# KiCad board 8851_HW-U1-VCU118_REV2-0_071417.kicad_pcb (continued)
## Routing (per net, layer and track width the routed paths; a pad name or vN(x,y) marks a point on that pad's centre or on a via; arc(x,y) is an arc through that point) (continued)
  05_SIG2 w0.375: v3(215.66,157.22) 215.15,157.72 215.15,158.3 213.39,160.06 211.85,160.06 211.62,160.28 209.33,160.28 209.05,160.57 202.78,160.57 201.12,162.23 186.22,162.23 178.56,154.56 171.76,154.56 v3(164.22,147.03) 154.79,147.03 150.56,142.8 148.8,142.8 147.92,141.92 147.92,136.2 147.28,135.56 146.34,135.56 145.58,134.8 145.58,128.56 143.24,126.22 v3(142.76,126.22)
  07_SIG3 w0.375: 139.38,123.27 J100.1 ; J100.1 140.43,124.32 ; J100.1 138.58,123.53 ; J100.1 140.17,125.11 ; J100.1 139.38,125.37 ; J100.1 138.33,124.32 ; J100.1 140.17,123.53 ; J100.1 138.58,125.11
  11_PWR2 w0.375: 138.33,124.32 J100.1 ; J100.1 140.43,124.32 ; J100.1 140.17,125.11 ; J100.1 139.38,125.37 ; J100.1 139.38,123.27 ; J100.1 138.58,125.11 ; J100.1 138.58,123.53 ; J100.1 140.17,123.53
  20_SIG7 w0.375: v3(122.05,24.4) 121.18,25.27 121.18,25.98 117.37,29.78 v3(115.01,29.78)
  BOTTOM w0.138: R99.2 v3(142.56,125.37)
  BOTTOM w0.188: 140.75,96.89 140.75,96.44 140.97,96.22 140.97,95.79 140.56,95.37 140.56,94.58 138.85,92.88 134.91,92.88 129.6,87.56 129.6,87.17 129.35,86.92 128.92,86.92 128.72,86.72 128.72,86.19 128.48,85.95 127.94,85.95 127.69,85.7 127.69,85.31 127.35,84.97 126.97,84.97 126.69,84.7 126.69,84.26 126.45,84.02 126.02,84.02 125.73,83.73 125.73,76.45 125.42,76.15 120.1,76.15 119.58,75.63 v2(119.33,75.63)
  BOTTOM w0.375: 152.61,24.52 154.03,24.52 154.19,24.36 v3(154.25,24.36) 154.32,24.29 155.12,24.29 ; 151.5,61.81 151.5,61.65 v3(151,61.15) 150.22,61.15 ; 149.99,53.05 149.99,53.99 150.22,54.21 v3(151.04,54.21) ; C1464.1 148.77,83.08 v3(148.3,83.55) 148.96,84.2 C1570.1 ; v3(154.62,18.8) 154.62,18.79 155.5,18.79 ; 152.5,56.68 152.5,55.98 v3(152.5,55.97) 152.88,55.59 152.88,55.04 ; 114.95,30.71 114.95,30 115.04,29.9 115.04,29.81 v3(115.01,29.78) ; 150.22,57.17 v3(151.08,57.17) ; 122.88,25.99 122.88,25.13 v3(122.67,24.93) 122.14,24.4 v3(122.05,24.4) 119.88,22.23 119.88,18.55 121.78,16.65 v3(123.75,16.65) ; 141,24.54 141.83,24.54 v3(141.85,24.52) ; C1571.1 148.75,70.92 v3(148.38,70.55) 148.38,70.05 148.63,69.8 C1465.1 ; 60.96,142.3 60.96,141.2 62.25,141.2 62.93,141.88 v3(63.03,141.88) ; 155.85,25.77 155.85,26.32 155.34,26.84 v3(154.79,26.84) ; 150.22,58.2 v3(151.08,58.2) ; C255.1 C252.1 148.41,50.98 v3(148.12,50.7)
  vias: v3(141.26,126.97) v3(141.6,123.89) v3(142.01,126.97) v3(142.01,126.22) v3(142.35,123.89) v3(142.76,126.97) v3(152,101.17) v3(152.75,101.17) v4(142.08,128.59)
VCC1V8_FPGA_SNS_N: length 41.7
  03_SIG1 w0.133: v3(139.62,99.73) 139.91,100.01 139.91,100.53 140.08,100.69 140.08,101.93 139.68,102.33 139.68,104.52 142.1,106.93 142.1,108.84 143.05,109.79 144.21,109.79 145.64,108.36 149.17,108.36 149.56,108.76 153.66,108.76 156.23,111.33 157.22,111.33 159.57,113.67 161.93,113.67 v3(162.26,114.01)
  BOTTOM w0.102: 160.8,115.23 160.8,114.09 ; 160.8,114.09 160.51,113.8 160.22,113.8 159.42,114.6 158.75,114.6 ; 160.8,114.09 160.86,114.02 162.25,114.02 v3(162.26,114.01) ; 140,97.46 140.27,97.73 140.27,97.89 139.93,98.22 139.93,99.41 v3(139.62,99.73)
VCC1V8_FPGA_SNS_P: length 70.3
  03_SIG1 w0.133: v3(140.54,99.73) 140.19,100.07 140.19,100.41 140.35,100.58 140.35,102.05 139.96,102.44 139.96,104.41 142.37,106.82 142.37,108.72 143.17,109.52 144.09,109.52 145.52,108.09 149.29,108.09 149.68,108.48 153.77,108.48 156.35,111.05 157.34,111.05 159.68,113.4 160.51,113.4 160.6,113.31 160.6,112.74 160.68,112.66 160.85,112.66 161.01,112.82 161.01,113.31 161.1,113.4 161.6,113.4 161.67,113.32 v3(161.67,112.97) 162.27,112.97 162.93,113.62 162.93,114.12 162.52,114.53 159.71,114.53 158.24,113.06 157.1,113.06 154.23,110.19 153.03,110.19 152.67,109.83 150.66,109.83 146.38,114.11 146.38,116.98 v3(144.56,118.79)
  BOTTOM w0.102: 140.75,97.46 140.49,97.72 140.49,97.98 140.16,98.31 140.16,99.35 v3(140.54,99.73) ; v3(161.67,112.97) 161.42,113.22 160.92,113.22 160.8,113.11 160.34,113.11 160.05,113.4 160.05,113.59 159.52,114.11 158.75,114.11 ; v3(144.56,118.79) 144.08,118.79 143.72,119.15 143.72,119.87
VCC1V8_FPGA_VIN: length 9.2
  BOTTOM w0.15: R99.1 141.21,125.26 140.79,125.26 140.47,124.94 140.47,123.59 141.82,122.24 144.05,122.24 144.27,122.02 144.27,121.66 C91.1 143.98,120.85 144.21,120.61 144.21,119.87
VCC1V8_PGOOD: length 119.5
  03_SIG1 w0.375: v3(171.7,115.95) 167.72,111.97 163,111.97 162.02,111 v3(159.5,111)
  05_SIG2 w0.375: v3(202.48,146.45) 200.64,144.61 200.03,144.61 196.53,141.11 196.53,136.7 198.35,134.88 198.35,131.75 197.25,130.65 193.86,130.65 186.29,123.08 180.22,123.08 173.08,115.95 v3(171.7,115.95)
  16_SIG5 w0.375: v3(203,167.68) 203,167.69 203,169.4 202.57,169.83 192.03,169.83 191.28,169.08 191.28,165.95 194.53,162.7 194.53,148.64 195.23,147.94 196.01,147.94 197.21,146.74 200.07,146.74 200.35,146.45 v3(202.48,146.45)
  BOTTOM w0.25: 158.75,111.65 158.97,111.65 159.5,111.12 v3(159.5,111) ; 198.15,147.53 198.54,147.53 199.63,146.45 200.74,146.45
  BOTTOM w0.375: 200.74,146.45 v3(202.48,146.45) ; v3(202.81,149.82) 202.65,149.66 201.84,149.66 201.83,149.65 U51.4 ; 203,168.86 v3(203,167.68)
VCC1V8_TEMPX: length 23.4
  BOTTOM w0.25: 155.14,111 155.14,110.51 154.14,109.51 154.14,108.99 153.97,108.82 153.38,108.82 153.13,108.57 152.12,108.57 146.82,113.86 146.82,115.26 147.6,116.04 147.6,121.88 147.78,122.06 149.02,122.06 149.51,122.55
  BOTTOM w0.375: v3(153.34,109.61) 153.37,109.58 153.37,108.82
VCC1V8_VIN: length 8.5
  BOTTOM w0.15: R100.1 141.21,124.86 140.96,124.86 140.87,124.77 140.87,123.75 141.99,122.63 144.21,122.63 144.67,122.18 144.67,121.67 C91.2 144.96,120.81 144.71,120.56 144.71,119.87
VCC12_MGTAVCC:
  vias: v2(145.73,136.58) v2(146.98,136.58) v2(149.38,137.99) v2(151.26,138.72) v2(151.26,138.1) v2(151.26,137.35) v2(151.26,136.72) v2(152.01,140.4) v2(151.94,137.59) v2(151.96,134.86) v2(151.96,133.99) v2(152.57,137.59) v2(152.59,134.86) v2(152.59,133.99) v2(152.76,140.4) v2(153.19,137.59) v2(153.21,134.86) v2(153.21,133.99) v2(153.4,141.09)
VCC12_MGTAVTT: length 2
  TOP w0.375: C1665.1 v3(179.94,56.93) ; v3(181.38,59.33) 181.54,59.16 C1595.1
  vias: v2(178.94,53.6) v2(178.94,52.98) v2(178.94,52.35) v2(181.82,53.6) v2(181.82,52.98) v2(181.82,52.35) v2(182.33,55.93) v2(182.91,61.68) v2(182.91,61.06) v2(182.91,60.43) v2(182.96,55.93) v2(183.28,57.83) v2(183.71,55.93) v2(184.33,55.93) v2(184.57,53.6) v2(184.57,52.85) v2(184.57,52.23) v2(185.69,53.6) v2(185.69,52.85) v2(185.69,52.23)
VCC12_P: length 338.2
  TOP w0.375: v3(217.38,152.78) 217.13,152.54 C549.1 ; 219.73,142.2 J15.4 ; J15.4 220.96,141.76 ; J15.4 222.2,144.67 ; J15.4 219.29,143.43 ; J15.4 222.2,142.2 ; J15.4 222.64,143.43 ; J15.4 220.96,145.11 ; J15.4 219.73,144.67 ; J15.1 226.38,145.11 ; J15.1 224.7,143.43 ; J15.1 225.14,144.67 ; J15.1 228.05,143.43 ; J15.1 227.61,142.2 ; J15.1 227.61,144.67 ; J15.1 226.38,141.76 ; J15.1 225.14,142.2 ; J15.5 222.2,138.07 ; J15.5 220.96,140.98 ; J15.5 219.29,139.3 ; J15.5 222.64,139.3 ; J15.5 220.96,137.63 ; J15.5 222.2,140.54 ; J15.5 219.73,138.07 ; J15.5 219.73,140.54 ; DS20.2 v3(212.73,150.72) ; v3(125.4,145.45) 123.96,146.89 83.97,146.89 76.75,139.68 66.98,139.68 65.27,137.96 65.27,135.78 63.82,134.33 55.04,134.33 53.01,136.35 v3(51.2,136.35)
  03_SIG1 w0.375: 219.54,139.3 J15.5 ; J15.5 222.02,140.36 ; J15.5 219.9,140.36 ; J15.5 222.02,138.24 ; J15.5 222.39,139.3 ; J15.5 220.96,140.73 ; J15.5 219.9,138.24 ; J15.5 220.96,137.88 ; 225.32,144.49 J15.1 ; J15.1 227.8,143.43 ; J15.1 224.95,143.43 ; J15.1 227.43,142.38 ; J15.1 227.43,144.49 ; J15.1 226.38,142.01 ; J15.1 226.38,144.86 ; J15.1 225.32,142.38 ; J15.4 222.39,143.43 ; J15.4 222.02,142.38 ; J15.4 220.96,144.86 ; J15.4 219.54,143.43 ; J15.4 219.9,142.38 ; J15.4 222.02,144.49 ; J15.4 220.96,142.01 ; J15.4 219.9,144.49
  05_SIG2 w0.375: v3(33.02,107.23) 33.02,108.44 35.45,110.88 35.45,117.47 38.12,120.15 38.12,121.05 38.7,121.62 41.45,121.62 45.35,125.52 45.35,128.62 49.6,132.88 49.6,134.75 v3(51.2,136.35)
  16_SIG5 w0.375: v3(33.02,107.23) 33.79,107.23 v3(33.9,107.12)
  BOTTOM w0.2: 32.43,107.23 v3(33.02,107.23)
  BOTTOM w0.375: 211.5,145.15 209.18,145.15 205.43,141.4 197.68,141.4 194.72,144.35 194.72,147.95 193.72,148.95 145.83,148.95 143.12,146.25 126.2,146.25 v3(125.4,145.45) ; J15.4 222.2,144.67 ; J15.4 219.29,143.43 ; J15.4 222.64,143.43 ; J15.4 219.73,142.2 ; J15.4 219.73,144.67 ; J15.4 220.96,141.76 ; J15.4 220.96,145.11 ; J15.4 222.2,142.2 ; J15.1 227.61,144.67 ; J15.1 225.14,144.67 ; J15.1 228.05,143.43 ; J15.1 226.38,141.76 ; J15.1 227.61,142.2 ; J15.1 226.38,145.11 ; J15.1 224.7,143.43 ; J15.1 225.14,142.2 ; v3(215.32,150.98) 215.64,150.66 216.55,150.66 ; v3(210,147.28) 210.22,147.07 R316.1 ; 219.73,138.07 J15.5 ; J15.5 222.2,138.07 ; J15.5 222.2,140.54 ; J15.5 222.64,139.3 ; J15.5 220.96,137.63 ; J15.5 219.73,140.54 ; J15.5 219.29,139.3 ; J15.5 220.96,140.98 ; C859.1 v3(33.9,107.12)
  vias: v3(211.85,147.12) v4(211.33,144.06) v4(211.33,142.93) v4(212.58,144.06) v4(212.58,142.93)
VCC12_PCIE: length 19.6
  TOP w0.375: U2.B1 44.93,5.75 45.17,5.99 45.17,8.1 ; v3(45.92,7.26) U2.A2 ; U2.A3 v3(46.9,7.05)
  10_GND w0.7: U2.A3 v3(46.9,7.05) ; v3(45.92,7.26) U2.A2
  vias: v3(46.33,9.78) v3(46.33,8.53) v3(47.46,9.78) v3(47.46,8.53) v3(48.58,9.78) v3(48.58,8.53) v3(49.71,9.78) v3(49.71,8.53) v8(47.88,11.18) v8(50.38,11.18)
VCC12_Q_OUT: length 23.2
  TOP w0.375: 206.29,128.78 206.29,129.98 ; 206.29,129.98 207.49,128.78 ; 206.29,129.98 205.09,128.78 ; 206.29,129.98 206.29,131.18 ; 206.29,129.98 207.49,131.18 ; 206.29,129.98 205.09,131.18 ; 206.29,129.98 207.49,129.98 ; 206.29,129.98 205.09,129.98
  BOTTOM w0.375: 205.09,128.78 206.29,129.98 ; 206.29,129.98 206.29,128.78 ; 206.29,129.98 205.09,131.18 ; 206.29,129.98 206.29,131.18 ; 206.29,129.98 207.49,128.78 ; 206.29,129.98 207.49,131.18 ; 206.29,129.98 205.09,129.98 ; 206.29,129.98 207.49,129.98
  vias: v4(209.3,139.13) v4(209.3,137.88) v4(210.55,139.13) v4(210.55,137.88) v4(211.8,139.13) v4(211.8,137.88) v4(213.05,139.13) v4(213.05,137.88) v4(213.83,144.06) v4(213.83,142.93) v4(215.08,144.06) v4(215.08,142.93)
VCC12_SW: length 402.3
  TOP w0.25: 203.09,65.79 v3(203.09,66.83)
  TOP w0.375: v3(46,147.8) 46,146.8 46.31,146.49 47.56,146.49 48,146.93 v3(48,147.8) ; DS26.2 v3(202.12,140.42) ; J22.C35 v3(62.75,158.25) ; J22.L40 v3(56.5,168.25) ; 218.41,44.93 v3(218.41,43.88) ; L92.1 221.02,128.78 ; L92.1 220.12,128.47 ; L92.1 219.23,130.57 ; L92.1 218.92,129.68 ; L92.1 219.23,128.78 ; L92.1 220.12,130.88 ; L92.1 221.02,130.57 ; L92.1 221.33,129.68 ; v3(134.63,141.62) 135.05,142.04 135.05,143.05 134.44,143.66 ; J22.L37 v3(60.25,168.25) ; 213.22,67.97 213.22,66.76 213.28,66.7 213.28,63.28 213.78,62.78 216.07,62.78 v3(216.34,63.05) ; 39.1,124.14 39.66,124.7 44.2,124.7 44.91,125.41 44.91,126.64 44.23,127.33 v3(44.15,127.33) ; 218,158.97 v3(218,158.08) ; R1216.1 v3(234,111.55) ; v3(155.83,105.09) 155.66,105.26 155.66,108.04 156.21,108.6 C1412.1 ; v3(205.16,47.68) 205.43,47.94 207.72,47.94 208.22,47.45 208.22,44.02 208.28,43.96 208.28,42.76 ; 183.66,133.06 v3(183.66,132.02) ; J2.C35 v3(131.65,158.25) ; v3(41.05,115.02) R1021.1 ; v3(50.83,121.12) 50.57,121.12 50.09,121.59 50.09,122.12 ; 173.53,130.88 173.53,132.09 173.47,132.15 173.47,136.58 173,137.05 v3(170.41,137.05) ; 134.44,143.66 C1633.1 ; 134.44,143.66 134.44,143.64 133.92,143.12 v3(133.92,142.08) ; 215.88,158.97 v3(215.88,158.08) ; 203.38,159.11 202.81,159.11 v3(202.5,158.8) ; v3(192.58,19.09) 192.7,19.22 192.7,19.73 ; J22.C37 v3(60.25,158.25) ; J22.L36 v3(61.5,168.25) ; 220.08,158.85 v3(220.08,157.96) ; v3(159.8,118.1) 158.67,118.1 ; J2.C37 v3(129.15,158.25)
  03_SIG1 w0.375: v3(149.92,112.96) 150.26,112.62 150.86,112.62 154.48,116.24 154.48,117.4 155.18,118.1 v3(159.8,118.1) ; 206.29,134.9 207.49,134.9 ; 206.29,134.9 207.19,135.8 ; 206.29,134.9 205.4,134 ; 206.29,134.9 205.4,135.8 ; 206.29,134.9 206.29,136.1 ; 206.29,134.9 207.19,134 ; 206.29,134.9 206.29,133.7 ; 206.29,134.9 205.09,134.9 ; C499.1 197.63,133.72 ; C499.1 196.05,133.72 ; C499.1 196.84,133.97 ; C499.1 197.89,132.92 ; C499.1 195.79,132.92 ; 197.45,138.88 J54.1 ; J54.1 199.29,138.09 ; J54.1 199.29,139.68 ; J54.1 198.5,137.83 ; J54.1 197.71,138.09 ; J54.1 199.55,138.88 ; J54.1 198.5,139.93 ; J54.1 197.71,139.68
  07_SIG3 w0.375: 197.71,139.68 J54.1 ; J54.1 198.5,137.83 ; J54.1 199.55,138.88 ; J54.1 198.5,139.93 ; J54.1 199.29,138.09 ; J54.1 197.71,138.09 ; J54.1 197.45,138.88 ; J54.1 199.29,139.68 ; 25.75,65.3 25.75,73.5 28.9,76.65 28.9,89.72 27.66,90.96 27.66,92.86 28.55,93.75 28.55,102.25 26.1,104.7 v3(23.93,104.7) ; 196.05,132.13 C499.1 ; C499.1 197.89,132.92 ; C499.1 196.84,133.97 ; C499.1 197.63,133.72 ; C499.1 196.84,131.87 ; C499.1 196.05,133.72 ; C499.1 195.79,132.92 ; C499.1 197.63,132.13
  11_PWR2 w0.375: 234.88,127.17 235.77,126.28 ; 234.88,127.17 235.77,128.07 ; 234.88,127.17 236.08,127.17 ; 234.88,127.17 233.98,128.07 ; 234.88,127.17 233.98,126.28 ; 234.88,127.17 233.67,127.17 ; 234.88,127.17 234.88,125.97 ; 234.88,127.17 234.88,128.38 ; 197.45,138.88 J54.1 ; J54.1 198.5,139.93 ; J54.1 197.71,138.09 ; J54.1 197.71,139.68 ; J54.1 199.29,139.68 ; J54.1 199.55,138.88 ; J54.1 198.5,137.83 ; J54.1 199.29,138.09 ; 195.79,132.92 C499.1 ; C499.1 197.63,132.13 ; C499.1 197.89,132.92 ; C499.1 196.84,133.97 ; C499.1 196.84,131.87 ; C499.1 196.05,133.72 ; C499.1 197.63,133.72 ; C499.1 196.05,132.13 ; 205.4,134 206.29,134.9 ; 206.29,134.9 207.19,134 ; 206.29,134.9 207.49,134.9 ; 206.29,134.9 205.09,134.9 ; 206.29,134.9 206.29,136.1 ; 206.29,134.9 206.29,133.7 ; 206.29,134.9 205.4,135.8 ; 206.29,134.9 207.19,135.8 ; 171.77,30.78 171.77,31.83 ; 171.77,31.83 172.82,31.83 ; 171.77,31.83 172.57,31.04 ; 171.77,31.83 170.98,32.62 ; 171.77,31.83 170.98,31.04 ; 171.77,31.83 172.57,32.62 ; 171.77,31.83 170.72,31.83 ; 171.77,31.83 171.77,32.88
  14_SIG4 w0.375: C499.1 197.63,133.72 ; C499.1 196.05,132.13 ; C499.1 196.05,133.72 ; C499.1 196.84,133.97 ; C499.1 196.84,131.87 ; C499.1 197.63,132.13 ; C499.1 195.79,132.92 ; C499.1 197.89,132.92 ; 197.71,138.09 J54.1 ; J54.1 197.45,138.88 ; J54.1 199.55,138.88 ; J54.1 199.29,138.09 ; J54.1 199.29,139.68 ; J54.1 198.5,137.83 ; J54.1 198.5,139.93 ; J54.1 197.71,139.68 ; 206.29,134.9 207.49,134.9 ; 206.29,134.9 207.19,135.8 ; 206.29,134.9 205.4,135.8 ; 206.29,134.9 205.09,134.9 ; 206.29,134.9 206.29,133.7 ; 206.29,134.9 206.29,136.1 ; 206.29,134.9 205.4,134 ; 206.29,134.9 207.19,134
  16_SIG5 w0.375: 196.84,131.87 C499.1 ; C499.1 196.05,132.13 ; C499.1 197.89,132.92 ; C499.1 197.63,132.13 ; C499.1 195.79,132.92 ; C499.1 196.05,133.72 ; C499.1 197.63,133.72 ; C499.1 196.84,133.97 ; 197.71,138.09 J54.1 ; J54.1 199.55,138.88 ; J54.1 199.29,138.09 ; J54.1 197.71,139.68 ; J54.1 198.5,139.93 ; J54.1 199.29,139.68 ; J54.1 198.5,137.83 ; J54.1 197.45,138.88 ; 206.29,133.7 206.29,134.9 ; 206.29,134.9 207.49,134.9 ; 206.29,134.9 207.19,134 ; 206.29,134.9 206.29,136.1 ; 206.29,134.9 205.4,134 ; 206.29,134.9 205.4,135.8 ; 206.29,134.9 205.09,134.9 ; 206.29,134.9 207.19,135.8
  18_SIG6 w0.375: 195.79,132.92 C499.1 ; C499.1 197.89,132.92 ; C499.1 196.84,131.87 ; C499.1 197.63,133.72 ; C499.1 196.05,132.13 ; C499.1 196.05,133.72 ; C499.1 196.84,133.97 ; C499.1 197.63,132.13 ; 206.29,133.7 206.29,134.9 ; 206.29,134.9 205.4,135.8 ; 206.29,134.9 205.09,134.9 ; 206.29,134.9 207.19,135.8 ; 206.29,134.9 207.49,134.9 ; 206.29,134.9 205.4,134 ; 206.29,134.9 206.29,136.1 ; 206.29,134.9 207.19,134 ; J54.1 199.29,139.68 ; J54.1 197.45,138.88 ; J54.1 199.29,138.09 ; J54.1 197.71,139.68 ; J54.1 198.5,137.83 ; J54.1 197.71,138.09 ; J54.1 198.5,139.93 ; J54.1 199.55,138.88 ; v3(23.93,104.7) 26.2,104.7 29.5,108 29.5,108.88 31.26,110.64 31.99,110.64 33.8,112.45 33.8,113.5 35.32,115.02 v3(41.05,115.02)
  20_SIG7 w0.375: 197.71,139.68 J54.1 ; J54.1 197.71,138.09 ; J54.1 199.55,138.88 ; J54.1 199.29,139.68 ; J54.1 198.5,139.93 ; J54.1 197.45,138.88 ; J54.1 198.5,137.83 ; J54.1 199.29,138.09 ; 205.09,134.9 206.29,134.9 ; 206.29,134.9 207.19,134 ; 206.29,134.9 207.19,135.8 ; 206.29,134.9 207.49,134.9 ; 206.29,134.9 205.4,135.8 ; 206.29,134.9 205.4,134 ; 206.29,134.9 206.29,136.1 ; 206.29,134.9 206.29,133.7 ; C499.1 197.63,132.13 ; C499.1 195.79,132.92 ; C499.1 196.05,132.13 ; C499.1 196.84,133.97 ; C499.1 197.89,132.92 ; C499.1 196.05,133.72 ; C499.1 196.84,131.87 ; C499.1 197.63,133.72
  BOTTOM w0.375: 177.56,140.97 v3(176.76,140.97) ; 163.08,140.64 v3(162.26,140.64) ; 185.08,31.84 v3(185.08,32.57) ; 209.19,57.88 v3(210.01,57.88) ; v3(177.75,60.32) 176.84,60.32 176.56,60.04 176.56,58.47 ; 129.66,153.65 v3(129.66,154.64) ; 186.33,31.84 v3(186.33,32.57) ; v3(59.04,152.16) 59.14,152.06 59.14,151.13 60.89,151.13 ; 176.5,33.79 v3(175.01,33.79) ; 232.68,127.17 234.88,127.17 ; 212.31,52.84 v3(211.3,52.84) ; C1636.1 144.31,130.92 v3(143.18,132.04) ; v3(149.92,112.96) 150.26,112.62 R1158.1 ; 131.41,153.65 v3(131.41,154.64) ; v3(159.8,118.1) 160.88,119.17 163.5,119.17 163.88,118.8 163.88,116.88 163.19,116.19 163.19,113.54 162.68,113.02 162.68,107.72 161.22,106.27 158.46,106.27 v3(158.18,106.56) ; 180.11,47.13 v3(180.97,47.13) ; 50.09,121.12 v3(50.83,121.12)
  BOTTOM w0.5: v3(230.82,126.09) C1634.1 v3(229.5,127.17)
  vias: v2(217.33,79.77) v2(218.58,79.77) v3(41.58,128.6) v3(42.15,129.08) v3(42.55,128.5) v3(43.15,129.08) v3(141.88,132.09) v3(141.93,129.79) v3(143.61,129.79) v3(155.29,104.72) v3(156.67,104.1) v3(157.47,106.53) v3(158.04,104.09) v3(168.66,136.3) v3(168.66,135.05) v3(169.41,137.05) v3(171.41,136.05) v3(171.41,135.05) v3(177.75,62.67) v3(177.75,61.92) v3(177.75,61.17) v3(203.41,46.93) v3(203.41,45.68) v3(204.16,47.68) v3(206.28,46.93) v3(206.28,45.93) v3(215.22,64.8) v3(215.22,63.8) v3(217.34,63.05) v3(218.09,65.05) v3(218.09,63.8) v4(191,14.3) v4(191.88,14.3) v4(192.75,14.3) v4(193.62,16.05) v4(193.62,15.18) v4(193.62,14.3)
VCC12_UTIL_3V3:
  vias: v4(178.21,15.33) v4(178.21,14.08) v4(179.2,15.35) v4(179.2,14.1) v4(180.34,15.3) v4(180.34,14.05)
VCC12_VCCINT: length 2.6
  TOP w0.375: v3(214.54,106) 214.21,105.66 214.21,105.11 ; 214.21,94.86 v4(214.21,95.62) ; 214.21,102 v3(213.34,102)
  vias: v2(211.13,113.71) v2(211.13,103.46) v2(211.13,93.21) v2(211.13,82.97) v2(211.76,113.71) v2(211.76,103.46) v2(211.76,93.21) v2(211.76,82.97) v2(212.38,113.71) v2(212.38,103.46) v2(212.38,93.21) v2(212.38,82.97) v2(216.58,103.62) v2(216.68,116.37) v2(216.68,115.12) v2(216.68,113.87) v2(216.68,112.65) v2(216.71,111.37) v2(216.64,106.2) v2(216.71,101.12) v2(216.68,95.87) v2(216.68,93.37) v2(216.66,92.12) v2(216.71,90.87) v2(216.68,85.62) v2(216.68,83.12) v2(216.71,80.62) v2(217.33,117) v2(217.33,113.87) v2(217.33,110.75) v2(217.33,106.75) v2(217.33,103.62) v2(217.33,100.5) v2(217.33,96.5) v2(217.33,93.37) v2(217.33,90.25) v2(217.33,86.25) v2(217.33,83.12) v2(217.96,113.87) v2(217.98,93.37) v2(217.96,83.12) v2(218.39,103.67) v2(218.58,117) v2(218.58,110.75) v2(218.58,106.75) v2(218.58,100.5) v2(218.58,96.5) v2(218.58,90.25) v2(218.58,86.25)
VCCINT: length 25
  TOP w0.175: 186.01,110.44 186.39,110.06 186.39,109.15 187.01,108.52 187.01,102.17 186.79,101.95 R168.1
  TOP w0.375: 196.18,110.83 L95.1 195.89,111.03 ; v3(183.89,96.05) 185.28,96.05 185.66,95.67 R1228.1 185.66,94.92 185.28,94.55 v3(183.89,94.55) ; v3(183.89,90.8) 185.28,90.8 185.66,90.42 C1758.1 185.66,89.67 185.28,89.3 v3(183.89,89.3) ; v3(183.89,81.55) 185.28,81.55 185.66,81.92 C1757.1 185.66,82.67 185.28,83.05 v3(183.89,83.05)
VCCINT_A3_IN: length 66.4
  TOP w0.15: v3(233.4,98.22) 233.08,98.54 233.08,98.73 232.67,99.15
  TOP w0.175: v3(212.46,111.12) 212.08,111.5 211.83,111.5 211.36,111.98 211.36,112.57
  03_SIG1 w0.17: v3(223.12,100.42) 225.33,98.22 v3(233.4,98.22) ; v3(212.46,111.12) 212.46,110.21 214.14,108.53 221.15,108.53 225.44,104.23 232.26,104.23 234.42,102.08 v3(234.42,100.52)
  BOTTOM w0.15: v3(223.12,100.42) 223.12,100.02 222.71,99.61 222.71,99.54
  BOTTOM w0.175: 234.42,101.17 v3(234.42,100.52) 233.8,99.9 R1225.1 ; R1244.1 223.8,101.81 223.67,101.94 223.67,102.29 ; 228.62,106.5 227.72,106.5 225.5,104.28 225.5,102.87 224.92,102.29 224.92,101.87 224.79,101.73 224.79,101.04 224.79,100.27 223.92,99.4 223.33,99.4 223.2,99.54 C1637.2 ; 234.79,99.16 234.79,98.64 234.37,98.22 v3(233.4,98.22) 233.12,98.5 233.12,99.07 233.02,99.16 232.66,99.16 232.66,98.6 232.47,98.41 231.29,98.41 231.01,98.68 230.54,99.16
  BOTTOM w0.275: U164.30 232.45,112.22 v3(232.38,112.3)
VCCINT_FPGA: length 244.6
  TOP w0.175: R168.2 187.73,101.95 187.39,102.3 187.39,108.65 186.76,109.27 186.76,109.94 187.26,110.44
  TOP w0.375: 120.8,59.39 v2(121.3,58.9) ; v2(122.28,57.92) 121.79,58.41 ; v2(112.44,60.87) 112.93,61.36 ; v2(113.42,59.88) 113.91,60.38 ; 111.95,66.28 v2(111.45,66.77) ; v2(110.47,65.79) 110.96,65.3 ; v2(123.26,67.76) 122.77,67.27 ; 116.87,61.36 v2(117.36,60.87) ; 115.88,60.38 v2(115.39,59.88) ; v2(115.39,55.95) 115.88,56.44 ; v3(82.54,138.46) 81.77,138.46 80.64,137.34 81.27,136.71 v3(82.58,136.71) ; v2(113.42,57.92) 113.91,58.41 ; v2(121.3,56.93) 120.8,57.42 120.8,57.42 ; v2(112.44,58.9) 112.93,59.39 ; v2(119.33,56.93) 118.84,57.42 118.84,57.42 ; v2(119.33,67.76) 118.84,67.27 ; v2(111.45,61.85) 111.95,62.35 ; 112.93,67.27 v2(112.44,67.76) ; U1.AF24 v2(117.36,61.85) ; v2(114.41,56.93) 114.9,57.42 114.9,57.42 ; 118.84,59.39 v2(119.33,58.9) ; v2(114.41,62.84) 114.9,63.33 ; v2(110.47,60.87) 110.96,61.36 ; 117.85,60.38 v2(118.34,59.88) ; 122.77,61.36 v2(123.26,60.87) ; 119.82,58.41 v2(120.31,57.92) ; v2(123.26,65.79) 122.77,65.3 ; v3(129.16,102.08) 129.16,103.15 130.04,104.03 130.62,103.45 v3(130.62,102.17) ; v2(122.28,66.77) 121.79,66.28 ; v2(115.39,66.77) 115.88,66.28 ; v3(114.65,97.68) 114.62,97.71 114.62,98.43 ; v2(111.45,65.79) U1.AC19 ; v2(111.45,59.88) 111.95,60.38 ; v2(117.36,67.76) 116.87,67.27 ; 109.98,64.31 v2(109.49,63.82) ; 110.96,67.27 v2(110.47,67.76) ; 119.82,64.31 v2(120.31,63.82) ; 115.88,62.35 v2(115.39,61.85) ; 114.9,67.27 v2(114.41,67.76) ; v3(120.45,104.12) 120.45,103.33 121.36,102.42 122,103.07 v3(122,104.08) ; U1.W19 v2(111.45,69.73) ; v2(123.26,62.84) 122.77,63.33 ; 115.88,64.31 v2(115.39,63.82) ; v2(120.31,55.95) 119.82,56.44 ; v2(122.28,55.95) 121.79,56.44 ; 118.84,65.3 v2(119.33,65.79) ; 121.79,62.35 v2(122.28,61.85) ; 119.82,62.35 v2(120.31,61.85) ; 117.85,62.35 v2(118.34,61.85) ; 116.87,63.33 v2(117.36,62.84) ; 113.91,66.28 v2(113.42,66.77) ; 120.8,65.3 v2(121.3,65.79) ; v2(109.49,57.92) 109.98,58.41 ; 120.8,63.33 v2(121.3,62.84) ; v2(111.45,57.92) 111.95,58.41 ; v2(112.44,62.84) 112.93,63.33 ; 116.87,65.3 v2(117.36,65.79) ; v2(121.3,67.76) 120.8,67.27 ; 83.24,56.3 84,56.3 v3(84.03,56.34) ; v2(112.44,57.92) U1.AK20 ; v3(107.11,110) 107.11,109.13 C462.1 105.36,108.7 v3(105.36,110) ; v3(84,82.3) 83.24,82.3 83.24,81.05 83.98,81.05 v3(84,81.07) ; 121.79,60.38 v2(122.28,59.88) ; 83.24,88.42 v3(84,88.42) ; v2(114.41,65.79) 114.9,65.3 ; v2(110.47,62.84) 110.96,63.33 ; v3(105.74,115.13) 106.86,115.13 107.73,116.01 106.85,116.89 v3(105.74,116.89) ; 83.24,86.05 83.98,86.05 v3(84,86.07) ; 121.79,64.31 v2(122.28,63.82) ; v2(118.34,66.77) 117.85,66.28 ; 83.24,78.55 v3(84,78.55) ; 119.82,60.38 v2(120.31,59.88) ; v2(112.44,56.93) 112.93,57.42 112.93,57.42 ; v2(123.26,58.9) 122.77,59.39 ; v3(146.45,104.05) 146.6,104.2 146.6,105.21 C206.1 148.03,104.75 v3(148.03,104.1) ; 117.85,64.31 v2(118.34,63.82) ; 120.8,61.36 v2(121.3,60.87) ; v3(73.32,71.68) 74.44,71.68 C1487.1 74.43,73.43 v3(73.32,73.43) ; 118.84,63.33 v2(119.33,62.84) ; v2(111.45,63.82) 111.95,64.31 ; 109.98,60.38 v2(109.49,59.88) ; 83.24,79.8 83.98,79.8 v3(84,79.78) ; 83.24,87.3 v3(84,87.3) ; v2(113.42,55.95) 113.91,56.44 ; v2(109.49,66.77) 109.98,66.28 ; v2(108.5,57.92) U1.AK16 ; D36.1 v3(173.65,115.14) ; v2(110.47,58.9) 110.96,59.39 ; v2(120.31,66.77) 119.82,66.28 ; 109.98,62.35 v2(109.49,61.85) ; v2(114.41,54.96) 114.9,55.46 ; v2(112.44,65.79) 112.93,65.3 ; v2(114.41,60.87) 114.9,61.36 ; v2(117.36,66.77) U1.AB24 ; 118.84,61.36 v2(119.33,60.87) ; 122.77,57.42 v2(123.26,56.93) ; v2(113.42,61.85) 113.91,62.35
  09_PWR1 w0.375: 185.33,75.63 J107.1 ; J107.1 187.18,76.42 ; J107.1 185.07,76.42 ; J107.1 186.92,77.22 ; J107.1 186.92,75.63 ; J107.1 186.12,77.48 ; J107.1 185.33,77.22 ; J107.1 186.12,75.37
  10_GND w0.375: 185.07,76.42 J107.1 ; J107.1 186.92,75.63 ; J107.1 185.33,77.22 ; J107.1 186.92,77.22 ; J107.1 186.12,77.48 ; J107.1 186.12,75.37 ; J107.1 187.18,76.42 ; J107.1 185.33,75.63
  14_SIG4 w0.138: v2(115.39,63.82) 116.17,64.61 116.17,70.37 117.02,71.21 121.1,71.21 121.5,71.21 121.78,71.5 121.78,71.9 122.08,72.2 122.48,72.2 122.76,72.48 122.76,72.86 123.07,73.16 123.44,73.16 123.77,73.49 123.77,73.86 124.05,74.15 127.38,74.15 127.68,74.45 127.68,76.83 127.41,77.11 127.02,77.11 126.7,77.42 126.7,77.73 126.7,77.73 126.7,77.8 126.4,78.1 126.03,78.1 125.74,78.39 125.74,78.91 125.58,79.07 125.05,79.07 124.77,79.35 124.77,79.35 124.75,79.37 124.75,79.9 124.6,80.05 124.07,80.05 124.05,80.07 124.05,80.07 123.77,80.35 123.77,80.36 123.75,80.38 123.75,84.66 123.77,84.68 123.77,84.69 124.05,84.97 124.57,84.97 124.73,85.14 124.73,85.59 125.11,85.96 125.48,85.96 125.69,86.17 125.69,86.72 125.91,86.94 126.55,86.94 126.73,87.12 126.73,87.6 127.04,87.91 127.45,87.91 127.97,88.43 v2(128.19,88.43)
  18_SIG6 w0.375: 185.33,77.22 J107.1 ; J107.1 186.92,75.63 ; J107.1 187.18,76.42 ; J107.1 186.12,75.37 ; J107.1 185.33,75.63 ; J107.1 185.07,76.42 ; J107.1 186.12,77.48 ; J107.1 186.92,77.22 ; J5.1 196.18,20.3 ; J5.1 194.07,20.3 ; J5.1 195.12,21.35 ; J5.1 194.33,21.09 ; J5.1 195.12,19.25 ; J5.1 194.33,19.51 ; J5.1 195.92,19.51 ; J5.1 195.92,21.09
  BOTTOM w0.188: 137.76,101.67 137.22,101.14 137.22,99.32 128.56,90.65 128.56,88.8 v2(128.19,88.43)
  BOTTOM w0.3: 151.62,81.04 152.49,81.04 v3(152.89,81.44)
  BOTTOM w0.375: v3(148.58,89.41) 149.41,89.41 150,88.82 149.39,88.21 v3(148.58,88.21) ; v3(153.75,81.42) 153.75,82.07 C908.1 v3(152.89,81.44) ; v3(156.15,71.3) 156.4,71.05 156.4,69.6 C916.1 155.36,69.98 v3(155.36,71.27) ; v3(122,104.08) 122,103.07 121.36,102.42 120.45,103.33 v3(120.45,104.12) ; v3(156.85,54.04) 158.01,54.04 C1486.1 157.48,54.84 v3(156.85,54.84) ; v3(173.3,118.54) 173.86,118.54 174.52,119.2 C163.1 174.52,119.38 173.88,120.02 v3(173.23,120.02) ; v3(148.38,71.92) 148.45,72 C334.1 ; v3(180.22,75.5) 180.22,74.51 C918.1 179.15,74.67 v3(179.15,75.55) ; C923.1 C920.1 149.38,95.93 v3(149.55,96.1) ; v3(113.12,97.68) 113.12,97.69 113.12,98.43 ; 114.62,98.43 114.62,97.71 v3(114.65,97.68) ; v3(148.38,79.55) 148.62,79.8 C1455.1 ; 166.32,63.46 167,62.78 167.7,63.48 v3(167.7,64.15) 167.7,65.24 167,65.94 166.32,65.27 v3(166.32,64.15) 166.32,63.46 ; 167,75.03 167.5,75.53 v3(167.5,76.3) 167.5,77.07 167,77.57 166.38,76.94 v3(166.38,76.3) 166.38,75.66 167,75.03
  vias: v3(191.22,75.11) v3(191.22,74.11) v3(191.22,73.11) v4(176.01,116.17) v4(176.01,113.42) v4(176.39,107.92) v4(176.39,105.8) v4(176.39,103.55) v4(176.39,97.42) v4(176.39,95.42) v4(176.39,93.42) v4(177.01,114.17) v4(177.51,109.05) v4(177.51,106.8) v4(177.51,104.67) v4(177.51,102.55) v4(177.51,98.42) v4(177.51,96.42) v4(177.51,94.42) v4(177.51,92.42) v4(177.51,90.42) v4(177.51,88.42) v4(177.51,86.42) v4(177.51,84.42) v4(177.51,82.42) v4(178.01,115.17) v4(178.01,113.42) v4(178.64,107.92) v4(178.64,105.8) v4(178.64,103.55) v4(178.64,97.42) v4(178.64,95.42) v4(178.64,93.42) v4(178.64,91.42) v4(178.64,89.42) v4(178.64,87.42) v4(178.64,85.42) v4(178.64,83.42) v4(179.76,113.55) v4(179.76,109.05) v4(179.76,106.8) v4(179.76,104.67) v4(179.76,102.55) v4(179.76,98.42) v4(179.76,96.42) v4(179.76,94.42) v4(179.76,92.42) v4(179.76,90.42) v4(179.76,88.42) v4(179.76,86.42) v4(179.76,84.42) v4(179.76,82.42) v4(180.89,113.55) v4(180.89,107.92) v4(180.89,105.8) v4(180.89,103.55) v4(180.89,97.42) v4(180.89,95.42) v4(180.89,93.42) v4(180.89,91.42) v4(180.89,89.42) v4(180.89,87.42) v4(180.89,85.42) v4(180.89,83.42) v4(182.01,113.55) v4(182.01,109.05) v4(182.01,106.8) v4(182.01,104.67) v4(182.01,102.55) v4(182.01,100.42) v4(182.01,98.42) v4(182.01,96.42) v4(182.01,94.42) v4(182.01,92.42) v4(182.01,90.42) v4(182.01,88.42) v4(182.01,86.42) v4(182.01,84.42) v4(182.01,82.42) v4(183.14,113.55) v4(183.14,107.92) v4(183.14,105.8) v4(183.14,103.55) v4(183.14,101.42) v4(183.14,99.42) v4(183.14,97.42) v4(183.14,95.42) v4(183.14,93.42) v4(183.14,91.42) v4(183.14,89.42) v4(183.14,87.42) v4(183.14,85.42) v4(183.14,83.42) v4(184.26,109.05) v4(184.26,106.8) v4(184.26,92.42) v4(184.26,88.42) v4(184.26,86.42) v4(184.26,84.42) v4(185.39,109.05) v4(185.39,107.92) v4(185.39,105.8) v4(185.39,97.42) v4(185.39,93.42) v4(185.39,91.67) v4(185.39,87.42) v4(185.39,85.42) v4(186.51,92.42) v4(186.51,88.42) v4(186.51,86.42) v4(186.51,84.42)
